# Altium PCB 掌控拓展板Ⅰ V1.1.PcbDoc (part 1 of 2)
Units mm, origin at the board's own origin, x right, y up, seen from the top; angles counter-clockwise.
Board outline 51.8 x 47.39 mm, 2 copper layers (Top Layer, Bottom Layer); 91 components, 63 nets, 281 pads, 117 vias.
Unrouted connection lines stored in the file: 1.
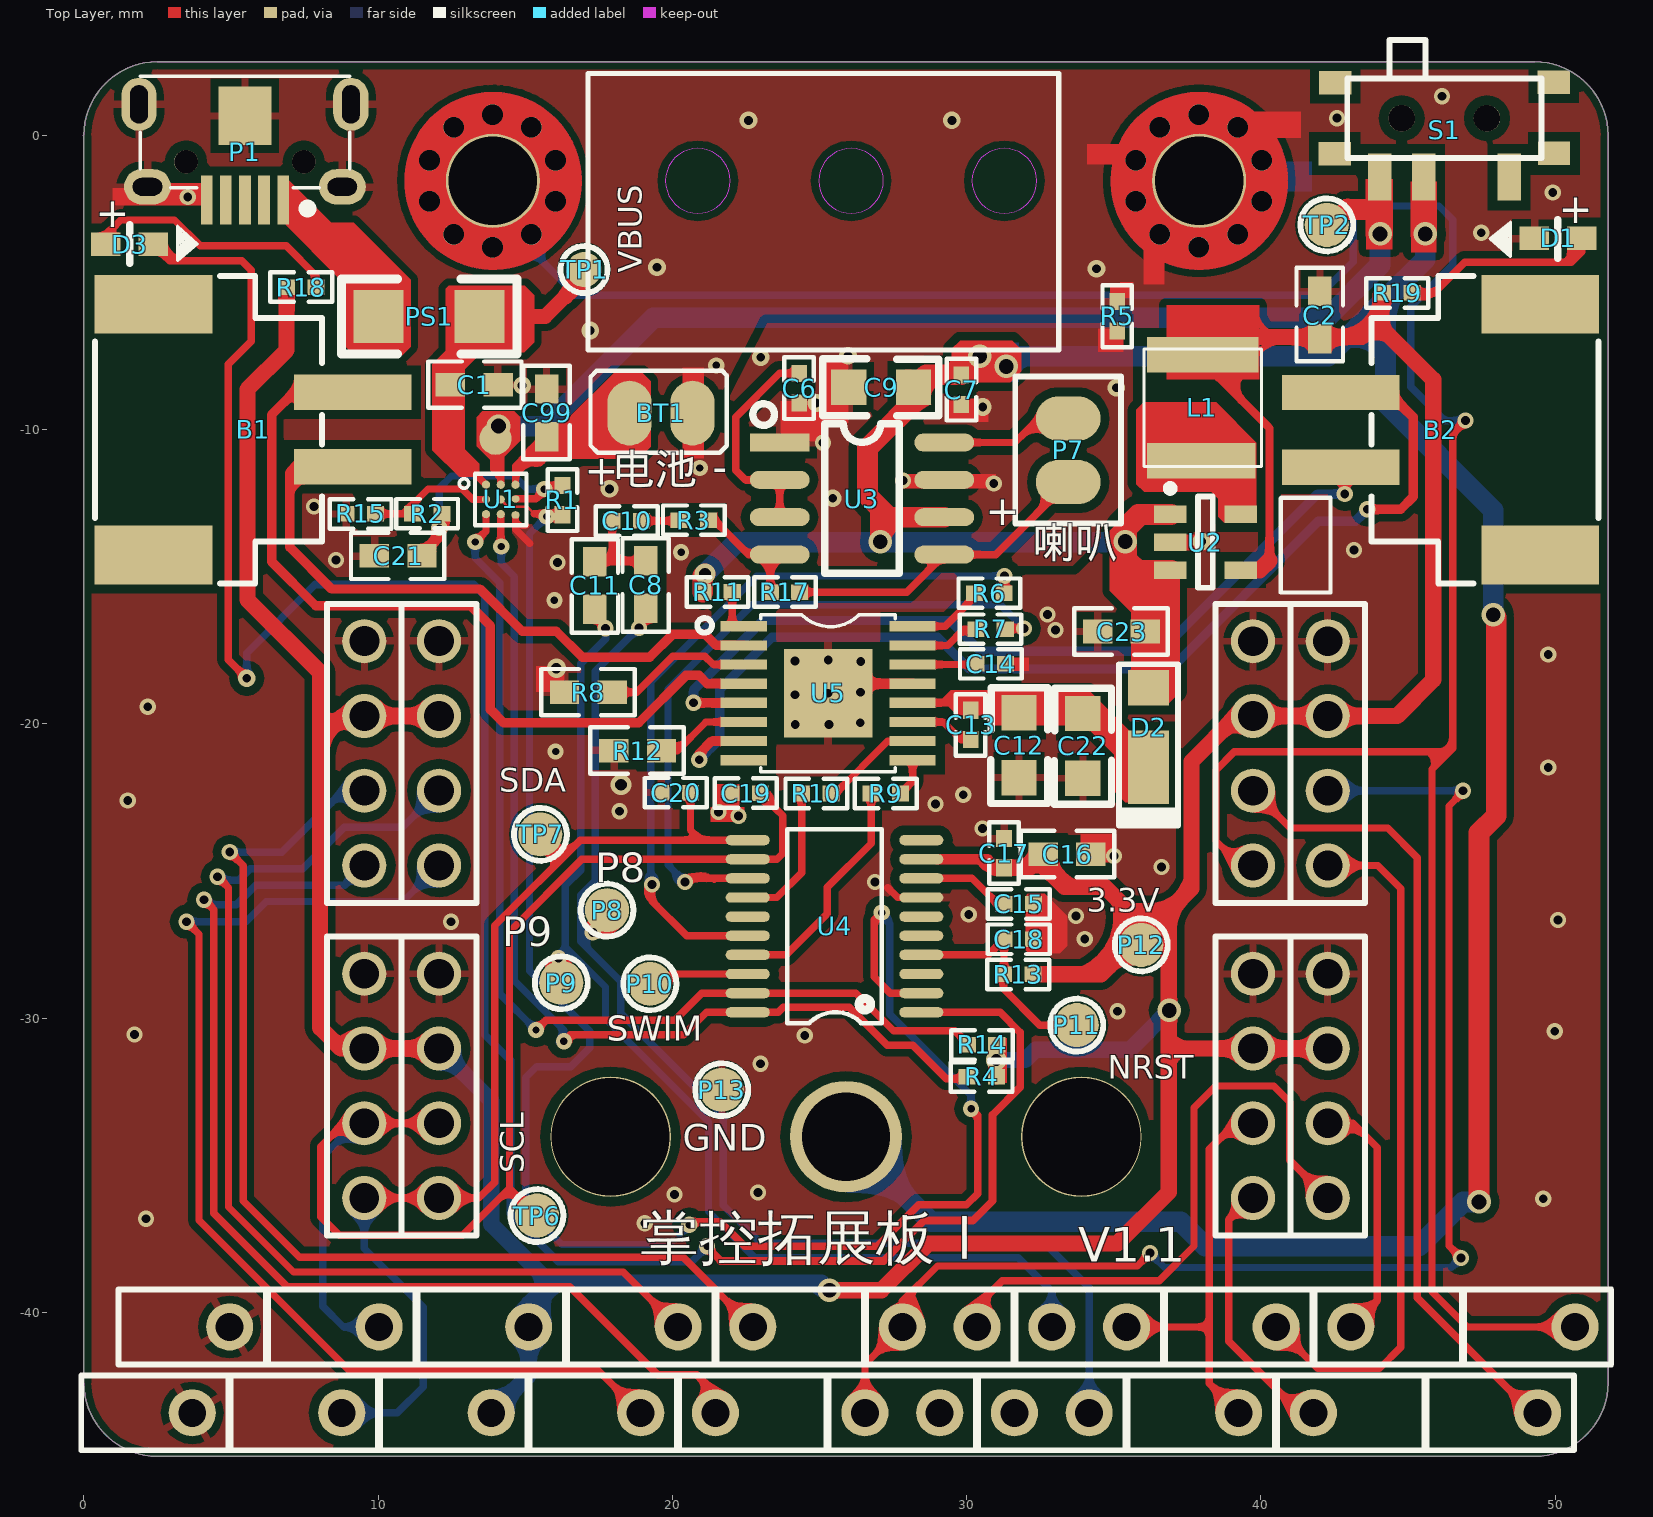
[diagram p0: Top Layer view]
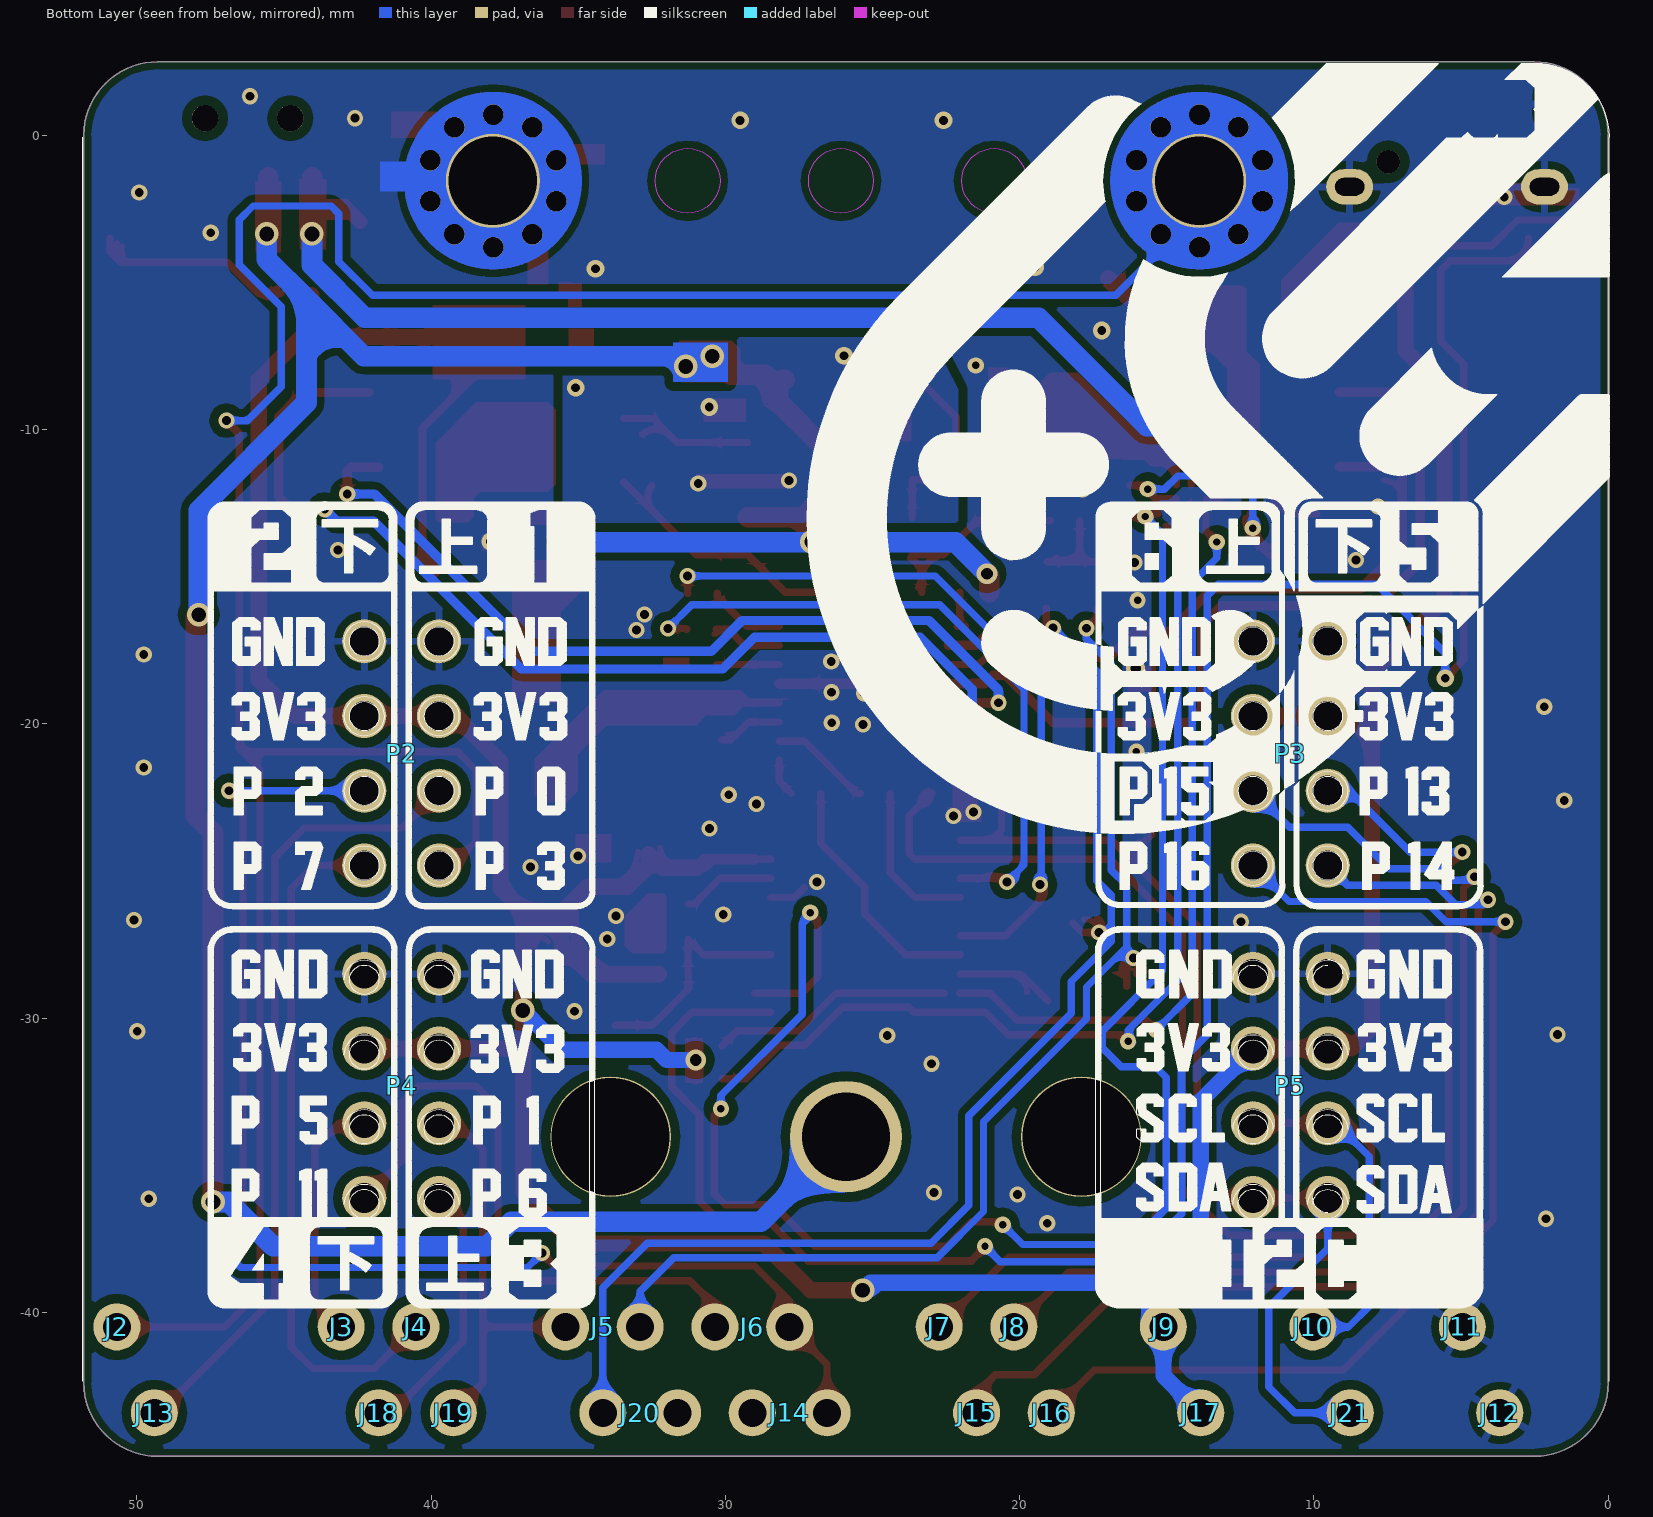
[diagram p1: Bottom Layer view, seen from below]

## Layer stack, top to bottom
Top Solder: solder mask 0.0102, Solder Resist, Dk 3.5
Top Layer: signal copper 0.0356
Dielectric 1: dielectric 0.32, FR-4, Dk 4.8
Bottom Layer: signal copper 0.0356
Bottom Solder: solder mask 0.0102, Solder Resist, Dk 3.5

## Board outline
0,-42.388 ccw(c2.507,-42.381) 2.5,-44.888 49.3,-44.888 ccw(c49.293,-42.38) 51.8,-42.388 51.8,0 ccw(c49.293,-0.007) 49.3,2.5 2.5,2.5 ccw(c2.507,-0.007) 0,0

## Design rules (kind name [scope] priority, off if disabled: settings)
Clearance Clearance_3 [InNet('AU_GND')] p1: gap=0.3
Clearance Clearance_2 [IsVia] p2: gap=0.3
Clearance Clearance_1 [IsPad] p3: gap=0.32
Clearance [All] p4: gap=0.25
PolygonConnect PolygonConnect_1 [IsVia] p1: connectstyle=Direct reliefconductorwidth=0.254 reliefentries=4 polygonreliefangle="90 Angle" airgapwidth=0.254
PolygonConnect [All] p2: connectstyle=Relief reliefconductorwidth=0.254 reliefentries=4 polygonreliefangle="90 Angle" airgapwidth=0.254
RoutingVias [All] p1: holewidth=0.711 width=1.27 viastyle="Through Hole" minholewidth=0.711 minwidth=1.27 maxholewidth=0.711 maxwidth=1.27
SolderMaskExpansion [All] p1: expansion=0.102
Width Width_10 [InNet('NetD3_C')] p1: maxlimit=0.258 minlimit=0.258 preferedwidth=0.258
Width Width_9 [InNet('NetB2_2')] p2: maxlimit=0.32 minlimit=0.32 preferedwidth=0.32
Width Width_8 [InNet('NetB2_1')] p3: maxlimit=0.32 minlimit=0.32 preferedwidth=0.32
Width Width_7 [InNet('NetB1_2')] p4: maxlimit=0.32 minlimit=0.32 preferedwidth=0.32
Width Width_4 [InNet('NetB1_1')] p5: maxlimit=0.32 minlimit=0.32 preferedwidth=0.32
Width Width_6 [InNet('3V3_MCU')] p6: maxlimit=0.4 minlimit=0.4 preferedwidth=0.4
Width Width_5 [InNet('3V3_A')] p7: maxlimit=0.42 minlimit=0.42 preferedwidth=0.42
Width Width_3 [InNet('3V3')] p8: maxlimit=0.55 minlimit=0.55 preferedwidth=0.55
Width Width_2 [InNet('VCC')] p9: maxlimit=0.7 minlimit=0.7 preferedwidth=0.7
Width Width_1 [InNet('NetBT1_1')] p10: maxlimit=0.8 minlimit=0.8 preferedwidth=0.8
Width [All] p11: maxlimit=0.25 minlimit=0.25 preferedwidth=0.25
30 further rules are at their usual default settings.

## Classes and differential pairs
component class Designator: J2 J3 J4 J5 J6 J7 J8 J9 J10 J11 J12 J13 J14 J15 J16 J17 J18 J19 J20 J21 P2 P3 P4 P5

## Components (designator, comment, footprint, x,y, rotation, side; value= is the part's Value field where it differs from the comment)
B1 "N20" 2PIN/2.54MM座子 5.752,-10 r270 top locked
B2 "N20" 2PIN/2.54MM座子 46.1,-10 r90 top locked
BT1 "3.7V,400mAh" 焊盘#1 19.612,-9.438 r0 top
C1 "10uF" 0603 13.269,-8.474 r0 top
C2 "10uF" 0603 41.999,-6.108 r90 top
C6 "1uF" 0402 24.307,-8.588 r270 top
C7 "0.1uF" 0402 29.822,-8.64 r90 top
C8 "10uF" 0603 19.094,-15.263 r270 top
C9 "47uF" 0805 27.096,-8.557 r180 top
C10 "0.1uF" 0402 18.451,-13.097 r180 top
C11 "10uF" 0603 17.363,-15.294 r270 top
C12 "100uF" 0805 31.778,-20.724 r270 top
C13 "0.01uF" 0402 30.133,-20.036 r270 top
C14 "2.2uF" 0402 30.824,-17.955 r0 top
C15 "0.68uF" 0402 31.769,-26.118 r180 top
C16 "10uF" 0603 33.412,-24.425 r0 top
C17 "0.1uF" 0402 31.268,-24.386 r90 top
C18 "0.1uF" 0402 31.769,-27.317 r0 top
C19 "30pF" 0402 22.49,-22.351 r180 top
C20 "30pF" 0402 20.118,-22.338 r180 top
C21 "4.7uF" 0603 10.683,-14.286 r180 top
C22 "100uF" 0805 33.945,-20.745 r270 top (schematic designator C12)
C23 "100uF" 0603 35.264,-16.86 r180 top (schematic designator C12)
C99 "4.7uF" 0603 15.725,-9.428 r90 top (schematic designator C21)
D1 "绿" 0603LED 50.099,-3.501 r0 top (schematic designator D2)
D2 "SBR2U30P1" POWERDI123 36.183,-20.121 r270 top
D3 "红" 0603LED 1.555,-3.7 r180 top (schematic designator D4)
J2 "" 顶针座子（2.54MM）#1 49.404,-40.492 r180 bottom locked
J3 "" 顶针座子（2.54MM）#2 44.324,-40.492 r180 bottom locked
J4 "" 顶针座子（2.54MM）#1 39.244,-40.492 r180 bottom locked
J5 "" 顶针座子（2.54MM）#3 34.164,-40.492 r180 bottom locked
J6 "" 顶针座子（2.54MM）#3 29.084,-40.492 r180 bottom locked
J7 "" 顶针座子（2.54MM）#2 24.004,-40.492 r180 bottom locked
J8 "" 顶针座子（2.54MM）#1 18.924,-40.492 r180 bottom locked
J9 "" 顶针座子（2.54MM）#1 13.844,-40.492 r180 bottom locked
J10 "" 顶针座子（2.54MM）#1 8.764,-40.492 r180 bottom locked
J11 "" 顶针座子（2.54MM）#1 3.684,-40.492 r180 bottom locked
J12 "" 顶针座子（2.54MM）#1 2.414,-43.412 r180 bottom locked
J13 "" 顶针座子（2.54MM）#1 48.134,-43.412 r180 bottom locked
J14 "" 顶针座子（2.54MM）#3 27.814,-43.412 r180 bottom locked
J15 "" 顶针座子（2.54MM）#2 22.734,-43.412 r180 bottom locked
J16 "" 顶针座子（2.54MM）#1 17.654,-43.412 r180 bottom locked
J17 "" 顶针座子（2.54MM）#1 12.574,-43.412 r180 bottom locked
J18 "" 顶针座子（2.54MM）#2 43.054,-43.412 r180 bottom locked
J19 "" 顶针座子（2.54MM）#1 37.974,-43.412 r180 bottom locked
J20 "" 顶针座子（2.54MM）#3 32.894,-43.412 r180 bottom locked
J21 "" 顶针座子（2.54MM）#1 7.494,-43.412 r180 bottom locked
L1 "4.7UH" "贴片电感（4.7UH 0420 2.2A  4*4*2MM）" 38.022,-9.255 r90 top
P1 "USB-Micro" MICRO_USB2 5.475,-0.571 r0 top locked
P2 "Header 4X2" 双拼弯角排针2.54/4P#1 41,-21 r90 bottom locked
P3 "Header 4X2" 双拼弯角排针2.54/4P#1 10.801,-20.999 r90 bottom locked
P4 "Header 4X2" 双拼弯角排针2.54/4P#1 41,-32.3 r90 bottom locked
P5 "Header 4X2" 双拼弯角排针2.54/4P#2 10.799,-32.098 r90 bottom locked
P7 "speaker" 焊盘#2 33.45,-10.692 r270 top (schematic designator BT1)
P8 "" 测试点#1 17.78,-26.328 r0 top
P9 "" 测试点#1 16.223,-28.796 r0 top
P10 "" 测试点#1 19.239,-28.832 r0 top (schematic designator P8)
P11 "" 测试点#1 33.742,-30.234 r0 top (schematic designator P8)
P12 "" 测试点#1 35.933,-27.508 r0 top (schematic designator P8)
P13 "" 测试点#1 21.68,-32.429 r0 top (schematic designator P8)
PS1 "1A" 1206 11.735,-6.152 r0 top
R1 "10K" 0402 16.265,-12.393 r270 top
R2 "10K" 0402 11.665,-12.856 r0 top
R3 "1K" 0402 20.732,-13.076 r180 top
R4 "10K" 0402 30.509,-31.994 r180 top
R5 "0R" 0402 35.117,-6.144 r90 top
R6 "1K" 0402 30.773,-15.558 r0 top
R7 "1K" 0402 30.811,-16.782 r0 top
R8 "0.2R" 0603 17.145,-18.922 r180 top
R9 "1K" 0402 27.253,-22.363 r180 top
R10 "1K" 0402 24.894,-22.363 r180 top
R11 "47K" 0402 21.535,-15.517 r180 top
R12 "0.2R" 0603 18.819,-20.907 r180 top
R13 "10K" 0402 31.75,-28.509 r0 top
R14 "10K" 0402 30.523,-30.907 r180 top
R15 "10K" 0402 9.407,-12.863 r0 top
R17 "6.81K" 0402 23.826,-15.523 r180 top
R18 "2.2K" 0402 7.392,-5.157 r180 top
R19 "2.2K" 0402 44.633,-5.352 r180 top
S1 "SW-SPDT" MSK-12C01-07(1P2T) 46.234,0.195 r0 top locked
TP1 "VBUS" 测试点#2 17,-4.563 r0 top
TP2 "Vsys" 测试点#1 42.239,-3.041 r180 top
TP6 "SCL" 测试点#1 15.396,-36.707 r180 top
TP7 "SDA" 测试点#1 15.513,-23.752 r180 top
U1 "MP2662" WLCSP-9 14.168,-12.372 r0 top
U2 "PAM2305AAB330" SOT23-5 38.115,-13.822 r0 top
U3 "MIX2002" SOP-8 26.443,-12.34 r0 top
U4 "'STM8S003F3P6" TSSOP-20 25.51,-26.873 r180 top (schematic designator U8)
U5 "DRV8833" "HTSSOP -16(PWP)" 25.293,-18.957 r270 top (schematic designator U6)
? "Comment" 3MM螺丝孔 13.9,-1.544 r180 top locked
? "Comment" 3MM螺丝孔 37.9,-1.544 r180 top locked

## Footprints (in the part's own frame and the unit in brackets; to place one, negate y for a bottom-side part, rotate by r counter-clockwise, add the part's x,y. Pads: shape width x height; smd on the part's side, far side on the other; paste and mask are expansions set on the pad)
2PIN/2.54MM座子 [mm]
  rect 1.2x4 smd: 1(1.264,3.387) 2(-1.276,3.387)
  rect 2x4 smd: ""(-4.264,-3.387) ""(4.264,-3.387)
  silkscreen extent -5.22,-5.37 5.22,2.34
3MM螺丝孔 [mm]
  round 3.2 hole 3: 0(0,0)
  round 0.7 hole 0.7: 12(1.335,1.821) 13(0.012,2.251) 14(-1.311,1.82) 15(-2.128,0.694) 16(-2.129,-0.694) 18(-1.31,-1.821) 19(0.012,-2.249) 20(1.334,-1.82) 22(2.152,-0.696) 24(2.152,0.695)
  Top Layer drawing of 1328 lines, arcs and shapes, not listed
  Bottom Layer drawing of 1328 lines, arcs and shapes, not listed
0402 [mm]
  rect 0.58x0.53 smd: 1(0.5,0) 2(-0.5,0)
  silkscreen extent -1.05,-0.5 1.05,0.5
0603 [mm]
  rect 1x0.8 smd: 1(-0.81,0) 2(0.81,0)
  silkscreen extent -1.57,-0.79 1.6,0.79, body extent -0.81,-0.4 0.79,0.4, height 0.45
0603LED [mm]
  rect 1x0.8 smd: A(0.81,0) C(-0.81,0)
  silkscreen extent -2.31,-0.67 0,0.64
0805 [mm]
  rect 1.2x1.2 smd: 1(-1.1,0) 2(1.1,0)
  silkscreen extent -1.96,-0.96 1.98,0.98
1206 [mm]
  rect 1.7x1.8 smd: 1(-1.714,0) 2(1.714,0)
  silkscreen extent -2.98,-1.27 2.98,1.27
"HTSSOP -16(PWP)" [mm] "ERP-321210028"
  rect 3x3 smd: 0(0,0)
  rect 0.35x1.57 smd: 1(-2.275,-2.87) 2(-1.625,-2.87) 3(-0.975,-2.87) 4(-0.325,-2.87) 5(0.325,-2.87) 6(0.975,-2.87) 7(1.625,-2.87) 8(2.275,-2.87) 9(2.275,2.87) 10(1.625,2.87) 11(0.975,2.87) 12(0.325,2.87) 13(-0.325,2.87) 14(-0.975,2.87) 15(-1.625,2.87) 16(-2.275,2.87)
  silkscreen extent -2.67,-4.45 2.67,2.29
MICRO_USB2 [mm] "ERP-304100410001"
  rect 1.8x2 smd: 0(0,1.237)
  rect 0.4x1.65 smd: 1(1.3,-1.625) 2(0.65,-1.625) 3(0,-1.625) 4(-0.65,-1.625) 5(-1.3,-1.625)
  oval 0.9x1.5 hole 0.6 slot 1.3 at 90 deg: 6(-3.6,1.625) 7(3.6,1.625)
  oval 1.6x1.2 hole 0.6 slot 1 at 0 deg: 8(-3.31,-1.175) 9(3.31,-1.175)
  round 0.8 hole 0.8: " "(-2,-0.325) " "(2,-0.325)
  silkscreen extent -3.56,-1.92 3.56,2.58
MSK-12C01-07(1P2T) [mm] "贴片7脚拨动开关"
  rect 1.1x0.8 smd: 0(-3.727,-0.814) 0(-3.708,1.592) 0(3.718,1.615) 0(3.727,-0.808)
  round 0.9 hole 0.9: 0(-1.452,0.385) 0(1.448,0.385)
  rect 0.8x1.6 smd: 1(2.198,-1.615) 2(-2.202,-1.615) 3(-0.702,-1.615)
  silkscreen extent -3.3,-0.96 3.3,3.04
POWERDI123 [mm] "ERP-323110003"
  rect 1.2x1.4 smd: A(-1.35,0)
  rect 2.5x1.4 smd: C(1.35,0)
  silkscreen extent -2.15,-1 3.33,1
SOP-8 [mil]
  rect 80x24 smd: 1(-110,75)
  oval 80x24 smd: 2(-110,25) 3(-110,-25) 4(-110,-75) 5(110,-75) 6(110,-25) 7(110,25) 8(110,75)
  silkscreen extent -50,-100 50,100
SOT23-5 [mm]
  rect 1.1x0.6 smd: 1(-1.2,0.95) 2(-1.2,0) 3(-1.2,-0.95) 4(1.2,-0.95) 5(1.2,0.95)
  silkscreen extent -1.32,-1.55 0.25,1.95
TSSOP-20 [mm]
  oval 1.5x0.35 smd: 1(-2.95,2.925) 2(-2.95,2.275) 3(-2.95,1.625) 4(-2.95,0.975) 5(-2.95,0.325) 6(-2.95,-0.325) 7(-2.95,-0.975) 8(-2.95,-1.625) 9(-2.95,-2.275) 10(-2.95,-2.925) 11(2.95,-2.925) 12(2.95,-2.275) 13(2.95,-1.625) 14(2.95,-0.975) 15(2.95,-0.325) 16(2.95,0.325) 17(2.95,0.975) 18(2.95,1.625) 19(2.95,2.275) 20(2.95,2.925)
  silkscreen extent -1.6,-3.3 1.6,3.3
WLCSP-9 [mm]
  round 0.28 smd mask+0.03: A1(-0.5,0.5) A2(0,0.5) A3(0.5,0.5) B1(-0.5,0) B2(0,0) C1(-0.5,-0.5) C2(0,-0.5)
  round 0.2 smd mask+0.03: B3(0.5,0) C3(0.5,-0.5)
  silkscreen extent -1.41,-0.87 0.87,0.87
双拼弯角排针2.54/4P#1 [mm]
  round 1.5 hole 1.016: 1(-3.81,-1.27) 2(-3.81,1.27) 3(-1.27,-1.27) 4(-1.27,1.27) 5(1.27,-1.27) 6(1.27,1.27) 7(3.81,-1.27) 8(3.81,1.27)
双拼弯角排针2.54/4P#2 [mm]
  round 1.5 hole 1.016: 1(-4.012,-1.269) 2(-4.012,1.271) 3(-1.472,-1.269) 4(-1.472,1.271) 5(1.068,-1.269) 6(1.068,1.271) 7(3.608,-1.269) 8(3.608,1.271)
  silkscreen extent 2.97,-2.54 4.24,-2.54
测试点#1 [mm]
  round 1.5 smd: 1(0,0)
  silkscreen extent -0.9,-0.9 0.9,0.9
测试点#2 [mm]
  round 1.2 smd: 1(0,0)
  silkscreen extent -0.8,-0.8 0.8,0.8
焊盘#1 [mm]
  oval 1.5x2.2 smd: 1(-1.07,0) 2(1.07,0)
焊盘#2 [mm]
  oval 1.5x2.2 smd: 1(-1.07,0) 2(1.091,0)
  silkscreen extent -2.5,-1.8 2.5,1.8
"贴片电感（4.7UH 0420 2.2A  4*4*2MM）" [mm] "4.7UH 0420 2.2A  4*4*2MM"
  rect 1.2x3.7 smd: 1(-1.8,0.05)
  rect 1.2x3.8 smd: 2(1.8,0)
  silkscreen extent -2,-2 2,2
顶针座子（2.54MM）#1 [mm]
  round 1.6 hole 0.95: 1(-1.27,0)
顶针座子（2.54MM）#2 [mm]
  round 1.6 hole 0.95: 2(1.27,0)
顶针座子（2.54MM）#3 [mm]
  round 1.6 hole 0.95: 1(-1.27,0) 2(1.27,0)

## Part data
B1 B2: library part Motor, "Motor, General Kind"
BT1: library part Battery, "4.2V Li-lon"
C1 C6 C7 C8 C9 C10 C11 C13 C14 C15 C16 C17 C18 C19 C20 C21 C99: library part CAP1_npol, "CAP, CERM, 0.01uF, 100V, +/-5%, X7R, 0603"
C2: library part "Cap NP", "电容"
C12 C22 C23: library part CAP3_pol, "CAP ALUM 22UF 10V 20% SMD"
D1 D3: library part LED1
D2: library part Diode_Schottky
J2 J3 J4 J5 J6 J7 J8 J9 J10 J11: library part pogopin
J12 J13 J14 J15 J16 J17 J18 J19 J20 J21: library part pogopin_32
P1: "USB Connector"
P2 P3 P4 P5: "Header, 4-Pin, Dual row"
P7: library part "Header 2", "Header, 2-Pin"
P8 P9 P10 P11 P12 P13 TP1 TP2 TP6 TP7: library part TP, "Test Point"
PS1: library part PS1, "保险管"
R1 R2 R3 R4 R5 R6 R7 R8 R9 R10 R11 R12 R13 R14 R15 R17 R18 R19: library part RES1, "RES, 1.0k ohm, 5%, 0.1W, 0603"
S1: "SPDT Subminiature Toggle Switch, Right Angle Mounting, Vertical Actuation"
U1: "500mA Single Cell Li-ion Battery Charger  with Power Path Management, 1mA  Termination and <1μA Battery Leakage"
U2: "PAM2305AAB330 采用SOT-23 封装的2.5V 至5.5V 输入，1A 降压稳压  器"
U4: library part STM8S103F2P6, "ST 8-bit  Microcontroller"
U5: library part DRV8833PWP, "DUAL H-BRIDGE MOTOR DRIVER"

## Free pads (board coordinates)
  round 1 smd: 0(25.9,-34.027)
  round 1 hole 1: 1(25.9,-34.027)
  round 1.2 all layers, no hole: 2(150.304,19.147) 2(265.101,-53.691) 3(264.493,19.268)
  round 4.1 hole 4: 8(17.9,-34.027) 8(33.9,-34.027)
  oval 0.28x0.24 smd mask+0.03: 23(14.668,-12.352)
  oval 0.28x0.25 smd mask+0.03: 24(14.668,-12.902)
  oval 1.2x1.8 smd: 25(9.075,1.054) 26(1.875,1.054)
  round 1.1 smd: 27(13.992,-10.305)
  round 3.8 hole 3: M3(25.9,-34.027)

## Via types
v1: diameter 0.55, hole 0.3, Top Layer to Bottom Layer, 71 vias
v2: diameter 0.55, hole 0.25, Top Layer to Bottom Layer, 16 vias
v3: diameter 0.6, hole 0.3, Top Layer to Bottom Layer, 15 vias
v4: diameter 0.8, hole 0.5, Top Layer to Bottom Layer, 11 vias
v5: diameter 0.7, hole 0.4, Top Layer to Bottom Layer, 3 vias
v6: diameter 0.65, hole 0.35, Top Layer to Bottom Layer, 1 vias

## Nets (pads, with @x,y where several pads share a name; then routed paths per layer and width w, separated by ;. In a path a pad name is that pad's centre, name@x,y a point inside that pad or via, vN(x,y) a via of type N, cw(c..) or ccw(c..) an arc to the next point about the centre after c; other vN are vias at no path point)
3V3: C2.1 C16.1 C17.2 J9.1 J17.1 L1.2 P2.5 P2.6 P3.5 P3.6 P4.5 P4.6 P5.5 P5.6 P12.1 R4.2 R13.1 R14.2 R18.1 R19.1 U2.4 U4.9 | length 192.4
  Top Layer w0.175: 30.355,-24.551 ccw(c30.995,-24.337) C17.2@31.209,-24.978
  Top Layer w0.2: 8.529,-30.585 ccw(c8.954,-30.104) P5.5@9.435,-30.529 ; 31.593,-24.751 ccw(c31.639,-24.171) C16.1@32.219,-24.216 ; 32.232,-25.028 cw(c32.396,-25.255) 32.623,-25.091 ; C16.1@32.969,-24.345 ccw(c34.127,-24.307) 34.165,-25.465 ; 33.713,-28.412 ccw(c33.14,-26.559) 34.994,-25.985 ; 33.974,-28.37 ccw(c33.274,-26.643) 35.001,-25.943 ; 34.032,-28.4 ccw(c33.523,-26.755) 35.167,-26.246 ; P12.1@35.414,-27.042 cw(c36.198,-27.622) 36.778,-26.838 ; 35.661,-26.801 cw(c36.025,-27.486) 36.71,-27.122 ; P12.1@35.716,-27.128 cw(c36.235,-27.27) 36.377,-26.752 ; P12.1@35.828,-27.27 cw(c36.395,-27.363) 36.488,-26.795 ; P12.1@35.866,-27.181 cw(c36.229,-27.677) 36.725,-27.315 ; P12.1@36,-26.879 cw(c35.989,-27.628) 36.739,-27.638 ; P12.1@36.021,-27.392 cw(c36.387,-27.758) 36.753,-27.392 ; 36.042,-26.281 ccw(c36.067,-24.807) 37.54,-24.831 ; 36.891,-30.25 ccw(c37.543,-30.212) 37.582,-30.864 ; 36.997,-31.787 cw(c37.603,-31.766) 37.582,-31.159 ; L1.2@39.665,-7.906 cw(c40.762,-8.111) 40.967,-7.013 ; 39.805,-5.95 ccw(c40.769,-5.873) 40.847,-6.837 ; 42.732,-6.668 ccw(c42.672,-5.427) R19.1@43.914,-5.367 ; 43.471,-7.024 cw(c43.928,-7.604) 44.508,-7.147 ; 44.355,-5.662 ccw(c45.391,-6.105) 44.691,-6.988
  Top Layer w0.28: L1.2@38.345,-8.007 40.235,-9.897 ; 40.29,-14.445 40.29,-9.952
  Top Layer w0.3: 39.07,-8.063 ccw(c39.413,-8.383) 39.092,-8.726 ; 39.332,-8.988 cw(c39.839,-8.519) L1.2@39.371,-8.012
  Top Layer w0.35: U4.9@28.999,-24.598 30.709,-24.598
  Top Layer w0.4: 30.709,-24.624 30.971,-24.886
  Top Layer w0.55: R18.1@6.892,-5.157 6.892,-7.299 5.558,-8.632 5.558,-15.782 8.029,-18.254 8.029,-20.505 ; P5.6@12.07,-31.03 P5.5@9.53,-31.03 8.735,-31.03 8.029,-30.323 8.029,-20.505 ; P3.6@12.071,-19.729 P3.5@9.531,-19.729 8.805,-19.729 8.029,-20.505 ; v4(25.338,-39.247) 27.103,-39.247 28.695,-37.655 35.124,-37.655 36.869,-35.91 36.869,-31.103 ; 30.971,-24.886 C17.2@31.268,-24.886 32.14,-24.886 C16.1@32.601,-24.425 32.601,-24.813 33.32,-25.532 34.69,-25.532 35.517,-26.359 ; R4.2@31.023,-31.98 R14.2@31.023,-30.907 ; R13.1@32.25,-28.509 34.566,-28.509 35.568,-27.507 35.568,-26.41 35.517,-26.359 ; 38.379,-6.715 38.52,-6.856 43.408,-6.856 43.661,-6.602 ; 39.953,-14.783 40.29,-14.445 ; P4.6@42.27,-31.03 P4.5@39.73,-31.03 36.942,-31.03 36.869,-31.103 ; R19.1@44.075,-5.423 44.075,-6.189 43.661,-6.602 ; 35.517,-26.359 36.869,-26.359 ; 36.869,-31.103 36.869,-26.359 ; 36.869,-26.359 37.636,-25.592 37.636,-21.279 39.185,-19.73 P2.5@39.73,-19.73 P2.6@42.27,-19.73 44.627,-19.73 45.858,-18.499 45.858,-8.298 44.162,-6.602 43.661,-6.602
  Bottom Layer w0.2: 15.241,-38.65 cw(c14.865,-39.034) 15.249,-39.411 ; J9.1@15.424,-40.298 cw(c16.525,-40.193) 16.42,-39.092 ; J9.1@15.564,-40.354 cw(c16.676,-40.217) 16.539,-39.106 ; 24.728,-39.091 ccw(c25.276,-38.828) v4@25.54,-39.375
  Bottom Layer w0.55: P5.6@12.07,-31.03 13.844,-32.804 13.844,-37.001 15.83,-38.987 ; J17.1@13.845,-43.412 15.114,-42.142 J9.1@15.114,-40.492 15.114,-39.703 15.83,-38.987 ; v4@25.344,-39.254 v4(25.338,-39.247) 25.078,-38.987 15.83,-38.987 ; v5(31.007,-31.419) 31.989,-31.419 32.339,-31.069 35.551,-31.069 v4(36.884,-29.736)
AIN1: R6.1 U4.16 | length 26.5
  Top Layer w0.2: v1@19.47,-25.439 ccw(c19.853,-25.795) 19.498,-26.178
  Top Layer w0.25: v1(19.309,-25.455) 19.309,-26.02 20.487,-27.198 U4.16@22.019,-27.198 ; R6.1@31.273,-15.558 31.287,-15.544 v1(31.287,-14.974)
  Bottom Layer w0.2: v1@19.219,-25.49 cw(c19.445,-25.296) 19.25,-25.071 cw(c19.159,-25.338) v1@19.427,-25.429
  Bottom Layer w0.25: v1(19.309,-25.455) 19.268,-25.413 19.268,-18.577 22.87,-14.974 v1(31.287,-14.974)
AIN2: R7.1 U4.13 | length 26.2
  Top Layer w0.2: v1@20.28,-25.449 cw(c20.921,-25.952) 21.423,-25.311 ; v1@20.528,-25.506 cw(c20.845,-25.572) 20.912,-25.255
  Top Layer w0.25: v1@20.553,-25.248 U4.13@22.019,-25.248 ; R7.1@31.311,-16.782 R7.1@31.337,-16.782 ; R7.1@31.337,-16.757 v1(31.947,-16.757)
  Bottom Layer w0.2: 19.864,-24.419 ccw(c20.637,-24.492) v1@20.564,-25.265 ; 20.078,-25.015 ccw(c20.495,-25.071) v1@20.439,-25.488
  Bottom Layer w0.25: v1(20.428,-25.373) 19.851,-24.795 19.851,-18.818 22.72,-15.95 31.14,-15.95 v1(31.947,-16.757)
AU_GND: C6.1 C7.2 C9.2 R5.2 U3.1 U3.7 | length 1.4
  Top Layer w0.25: v1@27.855,-11.705 U3.7@29.237,-11.705
  other v1: 30.921,-11.832 27.832,-11.729 25.116,-10.444
  other v3: 25.448,-12.33 30.548,-9.231 24.887,-9.094 35.088,-8.578 23.002,-7.541 25.966,-7.489
BIN1: R9.1 U4.17 | length 8.9
  Top Layer w0.25: U4.17@22.019,-27.848 U4.17@22.969,-27.848 ; U4.17@22.56,-27.848 23.865,-27.848 25.267,-26.445 25.267,-25.55 26.753,-24.064 R9.1@26.753,-22.363
BIN2: R10.1 U4.14 | length 5.4
  Top Layer w0.25: U4.14@22.019,-25.898 23.275,-25.898 23.551,-25.898 24.394,-25.055 24.394,-24.779 R10.1@24.394,-22.363
GND: ?.0@37.9,-1.544 BT1.2 C1.2 C2.2 C12.2 C14.1 C15.2 C16.2 C17.1 C18.1 C19.1 C20.1 C21.2 C22.2 C23.2 C99.2 D1.C J11.1 J12.1 P1.0 P1.5 P1.6 P1.7 P1.8 P1.9 P2.7 P2.8 P3.7 P3.8 P4.7 P4.8 P5.7 P5.8 P13.1 pad.24 pad.25 pad.26 R5.1 R8.2 R12.2 R15.2 U1.C3 U2.2 U4.7 U5.0 U5.13 | length 5.5
  Top Layer w0.2: 14.673,-13.052 ccw(c14.966,-12.973) 15.045,-13.266
  Top Layer w0.25: pad.24@14.668,-12.902 14.668,-13.387 15.15,-13.869 ; 27.324,-25.564 27.658,-25.898 U4.7@28.46,-25.898
  Top Layer w0.35: U5.0@25.618,-18.632 U5.13@28.163,-18.632
  other v1: 19.059,-36.967 2.116,-36.812 49.592,-36.136 20.074,-35.995 22.908,-35.924 22.998,-31.546 24.499,-30.592 1.721,-30.554 49.986,-30.441 35.129,-29.764 34.013,-27.308 12.476,-26.719 50.099,-26.663 33.717,-26.53 30.074,-26.481 26.881,-25.376 36.617,-24.862 35.002,-24.492 30.541,-23.555 22.25,-23.124 21.568,-22.998 18.203,-22.965 28.945,-22.723 1.495,-22.603 29.885,-22.406 49.761,-21.476 24.176,-20.024 25.325,-20.017 26.382,-19.96 2.172,-19.417 24.169,-19.009 25.293,-18.957 26.392,-18.921 24.162,-17.867 26.403,-17.874 25.297,-17.825 49.761,-17.641 33.015,-16.81 32.747,-16.281 16.097,-14.511 8.572,-14.427 43.161,-14.09 7.825,-12.616 47.488,-3.311 3.533,-2.098 49.916,-1.938 42.586,0.585 46.152,1.332
  other v2: 16.033,-20.937 15.992,-15.794 20.296,-14.165 20.929,-11.304 21.488,-7.816
  other v3: 37.981,-13.802 17.863,-12.012 14.895,-8.5 17.208,-6.632 34.41,-4.534 19.477,-4.48 22.584,0.51 29.497,0.51
  other v5: 18.254,-22.063
  other v6: 16.057,-18.109
INT: R1.1 U1.B2 U4.2 | length 64.6
  Top Layer w0.09: U1.B2@14.168,-12.372 14.42,-12.623 15.07,-12.623 15.303,-12.856
  Top Layer w0.175: 26.899,-27.089 cw(c27.396,-26.966) v2@27.273,-26.47 ; 26.899,-27.019 cw(c27.311,-26.928) v2@27.221,-26.516
  Top Layer w0.2: v2(15.729,-12.95) ccw(c15.938,-12.763) R1.1@16.125,-12.971 ; v2@30.102,-33.239 cw(c30.092,-33.499) 30.351,-33.509
  Top Layer w0.25: 15.303,-12.856 16.228,-12.856 R1.1@16.265,-12.893 ; v2(20.571,-37.016) 20.67,-36.918 21.63,-36.918 22.458,-37.745 26.967,-37.745 28.37,-36.343 29.997,-36.343 30.376,-35.964 30.376,-33.299 v2(30.151,-33.074) ; v2@27.051,-26.458 26.858,-26.651 26.858,-28.598 27.408,-29.148 U4.2@28.46,-29.148 ; U4.2@27.978,-29.148 U4.2@28.999,-29.148
  Bottom Layer w0.175: v2(27.115,-26.411) cw(c27.06,-26.74) 27.388,-26.795
  Bottom Layer w0.25: v2(15.729,-12.95) 15.143,-13.536 15.143,-28.383 17.198,-30.438 17.198,-30.999 16.549,-31.647 15.385,-31.647 15.017,-32.016 15.017,-36.455 16.251,-37.689 19.898,-37.689 v2(20.571,-37.016) ; v2@27.051,-26.458 27.388,-26.795 27.388,-27.296 27.388,-29.862 30.151,-32.626 v2(30.151,-33.074)
NetB1_1: B1.1 U5.2 | length 23.1
  Top Layer w0.2: 7.042,-12.313 cw(c7.638,-12.317) B1.1@7.641,-11.721
  Top Layer w0.32: B1.1@9.139,-11.264 7.198,-11.264 7.001,-11.461 7.001,-13.998 8.418,-15.414 13.461,-15.414 14.896,-16.849 16.057,-16.849 16.938,-17.73 19.229,-17.73 20,-16.959 21.12,-16.959 21.493,-17.332 U5.2@22.423,-17.332
NetB1_2: B1.2 U5.4 | length 28.8
  Top Layer w0.32: B1.2@9.139,-8.724 7.151,-8.724 6.38,-9.494 6.38,-14.48 7.885,-15.984 13.14,-15.984 13.818,-16.663 13.818,-19.513 14.264,-19.959 18.856,-19.959 20.462,-18.352 20.9,-18.352 20.904,-18.349 21.188,-18.632 U5.4@22.423,-18.632
NetB2_1: B2.1 U5.7 | length 37.9
  Top Layer w0.32: v1(20.911,-21.215) 20.911,-21.006 21.334,-20.582 U5.7@22.423,-20.582 ; B2.1@42.111,-8.736 B2.1@42.713,-8.736 44.337,-8.736 45.173,-9.571 45.173,-12.285 44.75,-12.708 v1(43.615,-12.708)
  Bottom Layer w0.32: v1(20.911,-21.215) 21.615,-20.511 21.615,-18.824 23.384,-17.055 29.01,-17.055 30.088,-18.133 36.932,-18.133 41.956,-13.109 43.213,-13.109 v1(43.615,-12.708)
NetB2_2: B2.2 U5.5 | length 29.8
  Top Layer w0.32: v1(20.72,-19.281) U5.5@22.423,-19.282 ; B2.2@41.778,-11.276 B2.2@42.713,-11.276 42.847,-11.41 v1(42.847,-12.186)
  Bottom Layer w0.32: v1(20.72,-19.281) 20.72,-18.843 23.079,-16.485 29.429,-16.485 30.481,-17.537 36.576,-17.537 41.927,-12.186 v1(42.847,-12.186)
NetBT1_1: BT1.1 C99.1 U1.A3 | length 7.6
  Top Layer w0.2: 14.698,-11.656 cw(c15.35,-11.811) 15.504,-11.159 ; 14.712,-11.355 cw(c15.168,-11.576) 15.389,-11.12
  Top Layer w0.25: U1.A3@14.668,-11.872 14.668,-11.233 15.031,-10.871 15.373,-10.871 ; C99.1@15.839,-10.06 ccw(c16.267,-9.611) 16.715,-10.039
  Top Layer w0.8: 15.373,-10.871 15.612,-10.632 16.415,-10.632 17.613,-9.434 BT1.1@18.04,-9.434
NetC6_2: C6.2 U3.2 U3.3 | length 7.5
  Top Layer w0.25: U3.3@23.649,-12.975 U3.2@23.649,-11.705 22.481,-11.705 22.152,-11.376 22.152,-9.578 23.642,-8.088 C6.2@24.307,-8.088
NetC8_1: C8.1 C10.1 C11.1 | length 4.9
  Top Layer w0.25: C11.1@17.363,-14.484 17.99,-14.484 ; C11.1@17.363,-14.484 ccw(c17.455,-13.995) 17.944,-14.087 ccw(c18.503,-13.812) C8.1@18.778,-14.372 ; C10.1@17.951,-13.097 17.951,-14.445 17.99,-14.484 ; C8.1@19.063,-14.484 17.99,-14.484
NetC10_2: C10.2 R3.1 | length 1.3
  Top Layer w0.25: C10.2@18.951,-13.097 R3.1@20.211,-13.097
NetC12_1: C12.1 C13.2 C22.1 D2.C U5.12 | length 8.9
  Top Layer w0.25: U5.12@28.163,-19.282 33.583,-19.282 C22.1@33.945,-19.645 35.771,-21.471 D2.C@36.183,-21.471
NetC13_1: C13.1 U5.11 | length 2.6
  Top Layer w0.2: 29.589,-20.302 ccw(c29.788,-20.159) C13.1@29.931,-20.358
  Top Layer w0.25: U5.11@28.163,-19.932 29.207,-19.932 29.81,-20.536 C13.1@30.133,-20.536
NetC14_2: C14.2 U5.14 | length 2.1
  Top Layer w0.25: U5.14@28.163,-17.982 C14.2@30.297,-17.982
NetC15_1: C15.1 U4.8 | length 2.6
  Top Layer w0.25: U4.8@28.999,-25.248 30.182,-25.248 31.052,-26.118 C15.1@31.269,-26.118
NetC21_1: C21.1 pad.23 R1.2 R2.1 U1.B3 | length 12.5
  Top Layer w0.2: C21.1@11.398,-14.016 ccw(c11.179,-13.215) R2.1@11.98,-12.996 ; C21.1@11.419,-14.013 ccw(c11.37,-13.049) R2.1@12.335,-12.999
  Top Layer w0.25: C21.1@11.493,-14.286 12.165,-13.614 R2.1@12.165,-12.856 ; pad.23@14.668,-12.352 15.361,-12.352 15.821,-11.893 R1.2@16.265,-11.893
  Bottom Layer w0.2: v2@11.952,-13.368 cw(c12.208,-13.227) 12.068,-12.971 ; v2(12.079,-13.347) ccw(c11.912,-13.155) 12.103,-12.989
  Bottom Layer w0.25: v2(12.079,-13.347) 12.079,-11.986 12.492,-11.572 14.632,-11.572 15.08,-12.021 v2(15.645,-12.021)
NetD1_A: D1.A R19.2 | length 10.3
  Top Layer w0.2: R19.2@45.103,-5.36 ccw(c45.49,-4.928) 45.922,-5.314 ; R19.2@45.24,-5.194 ccw(c45.629,-4.591) 46.232,-4.98 ; 50.254,-4.317 ccw(c50.108,-3.917) D1.A@50.508,-3.771 ; 50.409,-4.275 ccw(c50.231,-3.836) D1.A@50.67,-3.658
  Top Layer w0.25: R19.2@45.103,-5.36 45.868,-5.36 46.921,-4.306 50.552,-4.306 50.909,-3.949 D1.A@50.909,-3.501
NetD3_A: D3.A R18.2 | length 9.5
  Top Layer w0.25: D3.A@0.745,-3.7 0.745,-3.389 1.258,-2.875 3.08,-2.875 3.958,-3.753 6.878,-3.753 7.892,-4.766 R18.2@7.892,-5.157 ; 7.697,-4.577 cw(c7.425,-4.896) R18.2@7.744,-5.168
NetD3_C: D3.C U4.1 | length 78.4
  Top Layer w0.25: D3.C@2.707,-3.488 ccw(c3.453,-3.504) 3.437,-4.25
  Top Layer w0.258: D3.C@2.365,-3.7 2.925,-4.259 5.364,-4.259 5.692,-4.587 5.692,-6.991 4.904,-7.779 4.904,-17.813 v3(5.536,-18.446) ; v2@21.104,-37.773 21.161,-37.773 21.636,-38.249 27.176,-38.249 28.55,-36.875 30.208,-36.875 30.88,-36.203 30.88,-33.286 31.827,-32.338 31.827,-30.487 31.138,-29.798 U4.1@28.999,-29.798
  Bottom Layer w0.258: v3(5.536,-18.446) 5.536,-17.596 7.871,-15.261 13.25,-15.261 13.628,-15.64 13.628,-30.564 14.498,-31.433 14.498,-36.649 16.121,-38.271 20.655,-38.271 v2(21.175,-37.752)
NetL1_1: L1.1 U2.5 | length 2.4
  Top Layer w0.25: L1.1@37.972,-11.055 39.315,-12.398 U2.5@39.315,-12.872
NetP1_1: P1.1 PS1.1 | length 5.8
  Top Layer w0.25: P1.1@6.775,-2.713 P1.1@6.775,-2.196 10.02,-5.442 PS1.1@10.02,-6.152
NetP7_1: P7.1 U3.8 | length 5.6
  Top Layer w0.25: U3.8@29.237,-10.435 31.636,-10.435 32.449,-9.622 P7.1@33.45,-9.622 ; 31.854,-10.228 cw(c32.369,-10.672) P7.1@32.812,-10.156
NetP7_2: P7.2 R17.2 U3.5 | length 11.7
  Top Layer w0.25: R17.2@24.326,-15.523 27.96,-15.523 U3.5@29.237,-14.245 30.987,-14.245 P7.2@33.45,-11.783 ; 32.38,-12.843 ccw(c31.972,-12.314) P7.2@32.501,-11.905
NetR2_2: R2.2 R15.1 U1.B1 | length 4.3
  Top Layer w0.25: R15.1@9.907,-12.863 10.851,-12.863 11.696,-12.018 12.861,-12.018 13.214,-12.372 U1.B1@13.668,-12.372
NetR3_2: R3.2 R17.1 U3.4 | length 6.8
  Top Layer w0.25: R3.2@21.232,-13.076 21.431,-13.076 22.6,-14.245 U3.4@23.649,-14.245 ; 22.372,-14.02 ccw(c22.682,-13.788) U3.4@22.914,-14.097 ; U3.4@22.825,-14.333 cw(c22.564,-15.051) R17.1@23.282,-15.313 ; R17.1@23.326,-15.523 23.326,-14.569 ; R17.1@23.426,-15.362 cw(c24.063,-15.006) U3.4@23.707,-14.369
NetR6_2: R6.2 U5.16 | length 2.6
  Top Layer w0.25: U5.16@28.163,-16.682 29.268,-16.682 30.273,-15.677 R6.2@30.273,-15.558
NetR7_2: R7.2 U5.15 | length 3.1
  Top Layer w0.2: 29.695,-17.014 cw(c30.06,-17.319) R7.2@30.364,-16.954
  Top Layer w0.25: U5.15@28.163,-17.332 29.353,-17.332 29.904,-16.782 R7.2@30.311,-16.782
NetR8_1: R8.1 U5.3 | length 5.1
  Top Layer w0.25: R8.1@17.956,-18.922 18.793,-18.922 20.016,-17.7 21.104,-17.7 21.386,-17.982 U5.3@22.423,-17.982
NetR9_2: R9.2 U5.9 | length 1.3
  Top Layer w0.25: R9.2@27.753,-22.363 28.163,-21.953 U5.9@28.163,-21.232
NetR10_2: R10.2 U5.10 | length 3.5
  Top Layer w0.25: R10.2@25.394,-22.363 25.542,-22.363 27.323,-20.582 U5.10@28.163,-20.582
NetR11_2: R11.2 U5.1 | length 1.5
  Top Layer w0.25: U5.1@21.845,-16.682 22.121,-16.682 22.035,-16.597 R11.2@22.035,-15.517
NetR12_1: R12.1 U5.6 | length 3.9
  Top Layer w0.25: R12.1@19.63,-20.907 20.165,-20.907 21.14,-19.932 U5.6@22.423,-19.932 ; R12.1@19.89,-20.664 ccw(c20.138,-20.288) 20.515,-20.536
NetS1_2: pad.27 S1.2 TP2.1 U1.A2 | length 37.4
  Top Layer w0.2: 14.193,-10.878 cw(c14.886,-10.694) 14.19,-10.867 ccw(c15.22,-10.987) 14.2,-11.173
  Top Layer w0.25: U1.A2@14.168,-11.872 pad.27@14.168,-10.114
  Top Layer w0.5: TP2.1@42.414,-2.936 42.952,-2.398
  Top Layer w0.7: 44.032,-2.711 S1.2@44.032,-1.419
  Bottom Layer w0.7: v4(14.091,-9.878) 15.679,-9.878 16.069,-9.487 19.36,-6.196 42.256,-6.196 44.048,-4.404 v4(44.048,-3.35)
NRST: C18.2 P11.1 R13.2 U4.4 | length 7.2
  Top Layer w0.25: U4.4@28.999,-27.848 30.738,-27.848 C18.2@31.269,-27.317 R13.2@31.269,-28.49 ; R13.2@31.25,-28.509 31.25,-28.999 32.485,-30.234 P11.1@33.742,-30.234
P0: J13.1 P2.3 | length 27.2
  Top Layer w0.25: P2.3@39.73,-22.27 40.997,-23.537 44.309,-23.537 45.314,-24.542 45.314,-39.5 49.226,-43.412 J13.1@49.405,-43.412
P1: J5.1 J19.1 P4.3 | length 14
  Top Layer w0.25: J5.1@35.434,-40.492 38.245,-40.492 ; J19.1@39.245,-43.412 38.245,-42.412 38.245,-40.492 ; P4.3@39.73,-33.57 39.133,-33.57 38.245,-34.459 38.245,-40.492